# Altium PCB HYDRA_V4_RECOVERY.PcbDoc (part 1 of 2)
Units mm, origin at the board's own origin, x right, y up, seen from the top; angles counter-clockwise.
Board outline 50.1 x 44.1 mm, 4 copper layers (Top Layer, PWR, GND, Bottom Layer), stack 1.586 mm thick; 185 components, 163 nets, 731 pads, 273 vias.
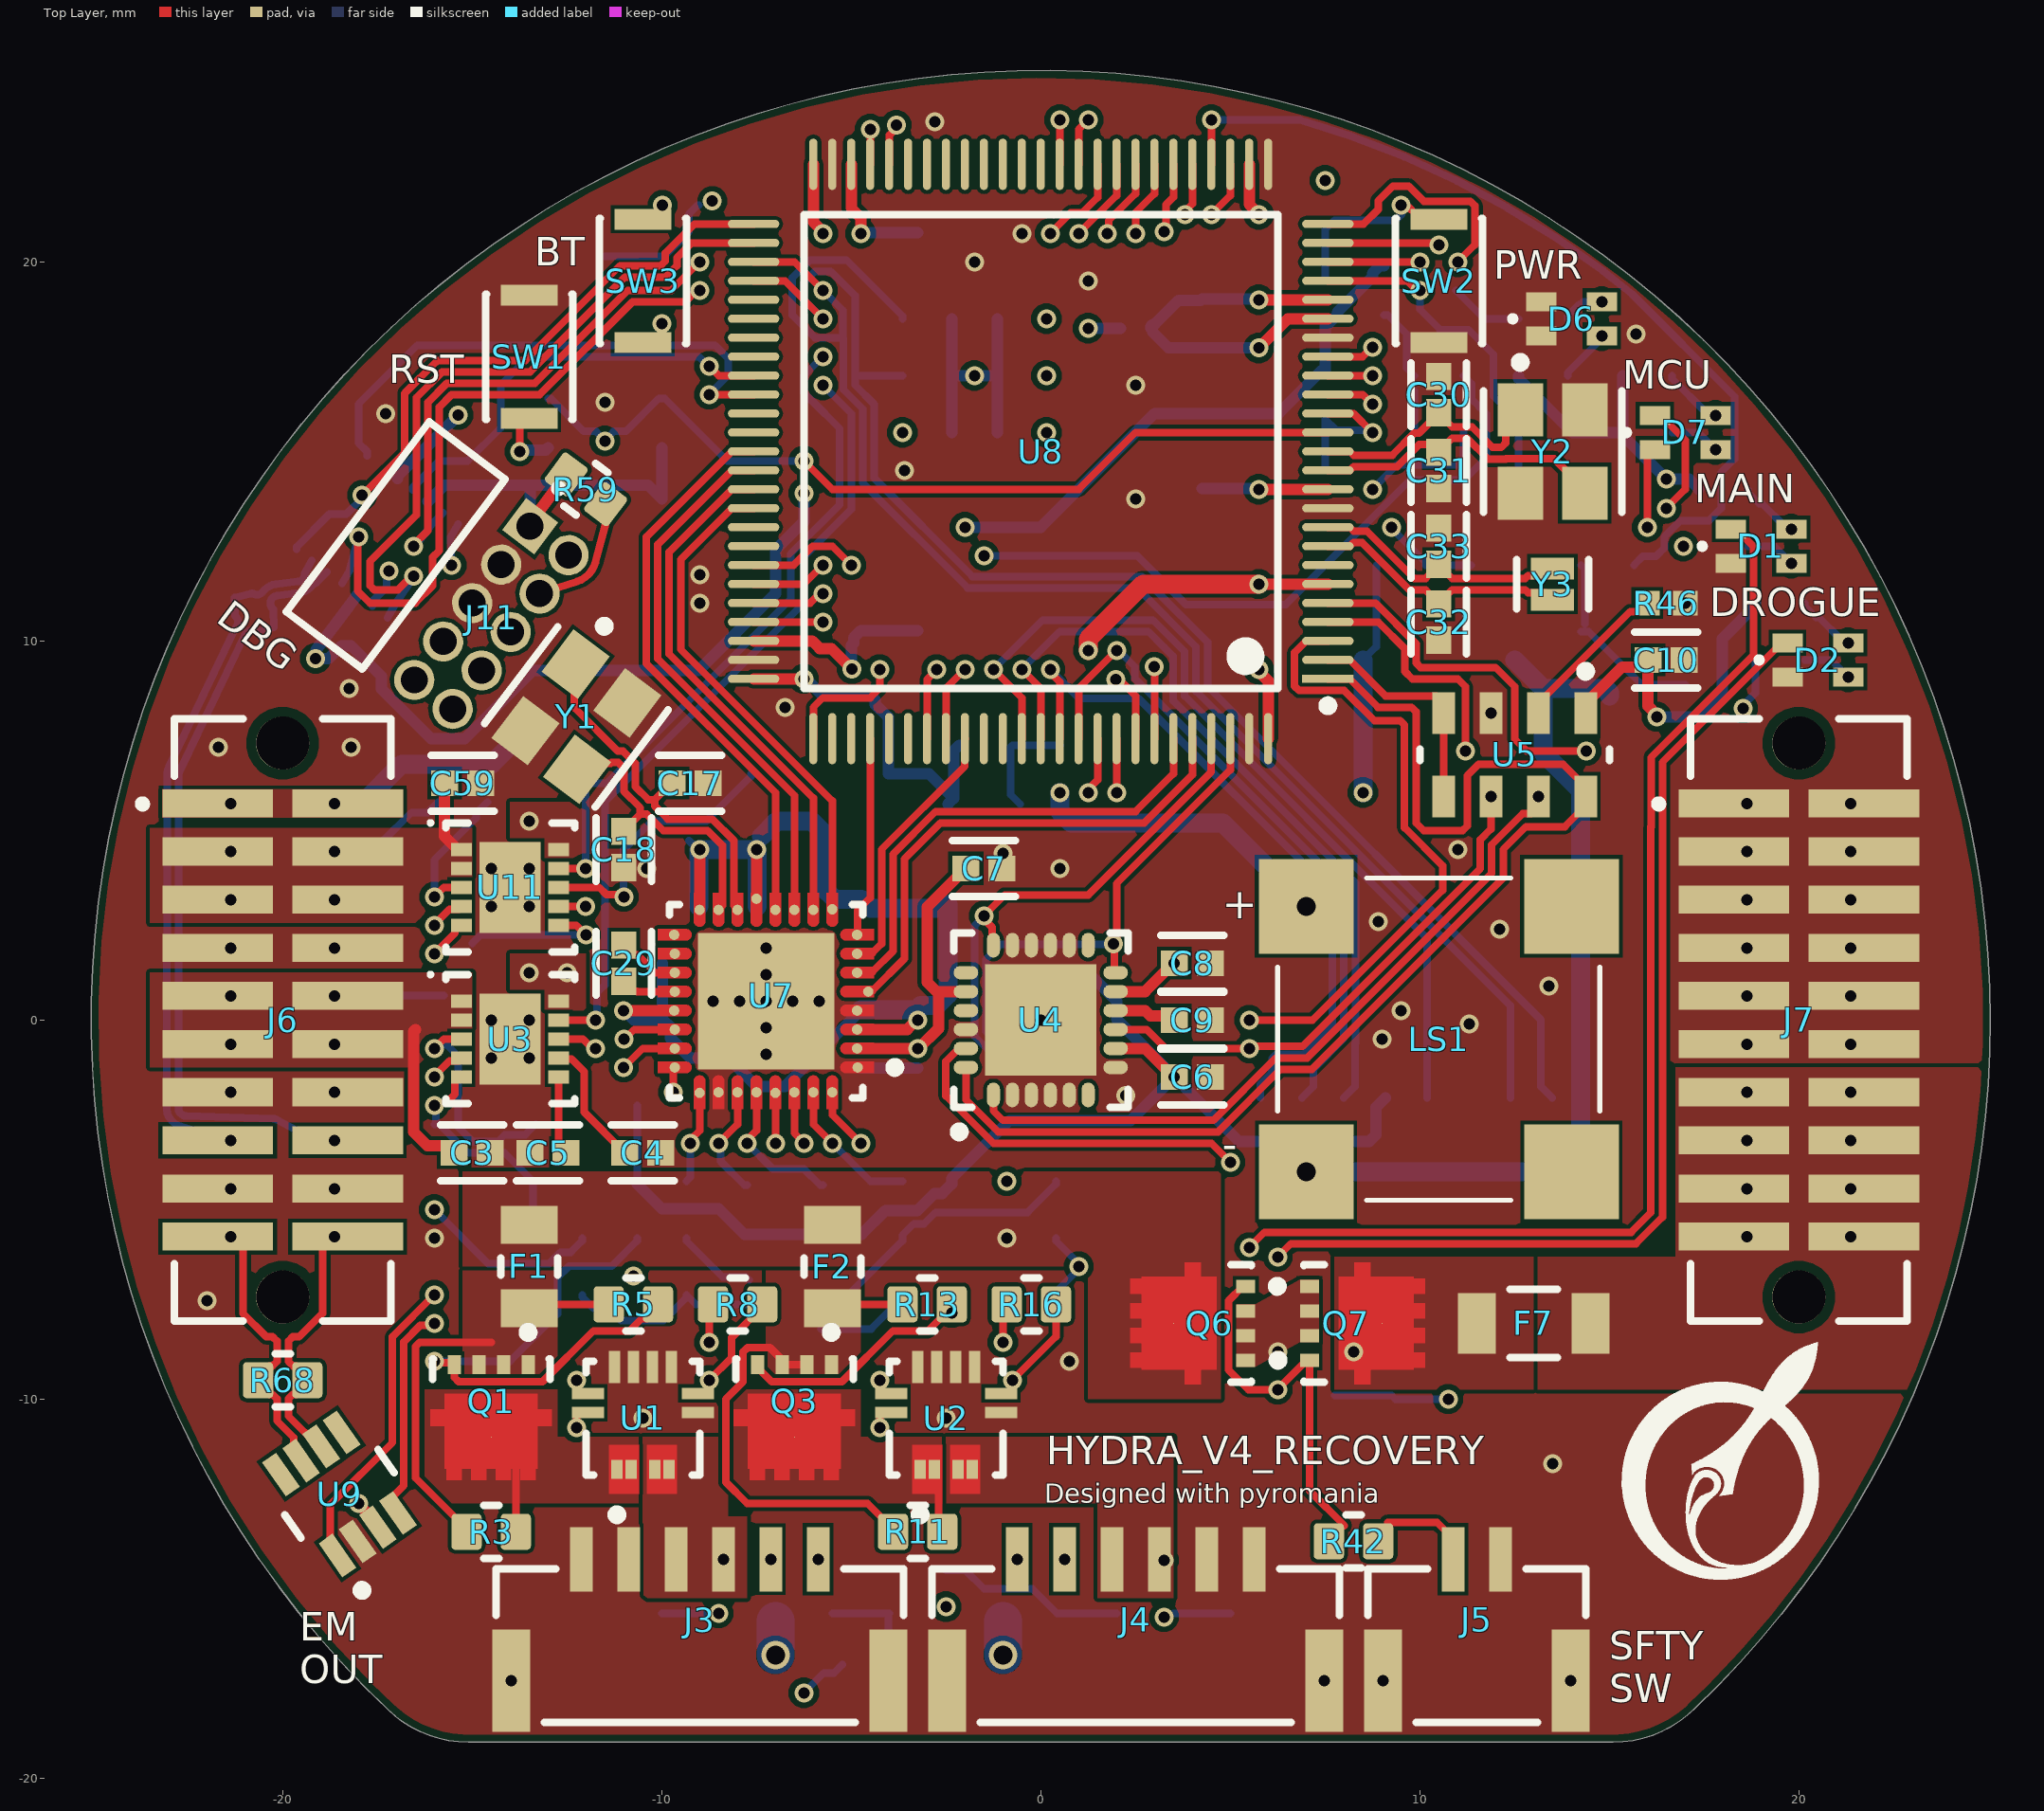
[diagram p0: Top Layer view]
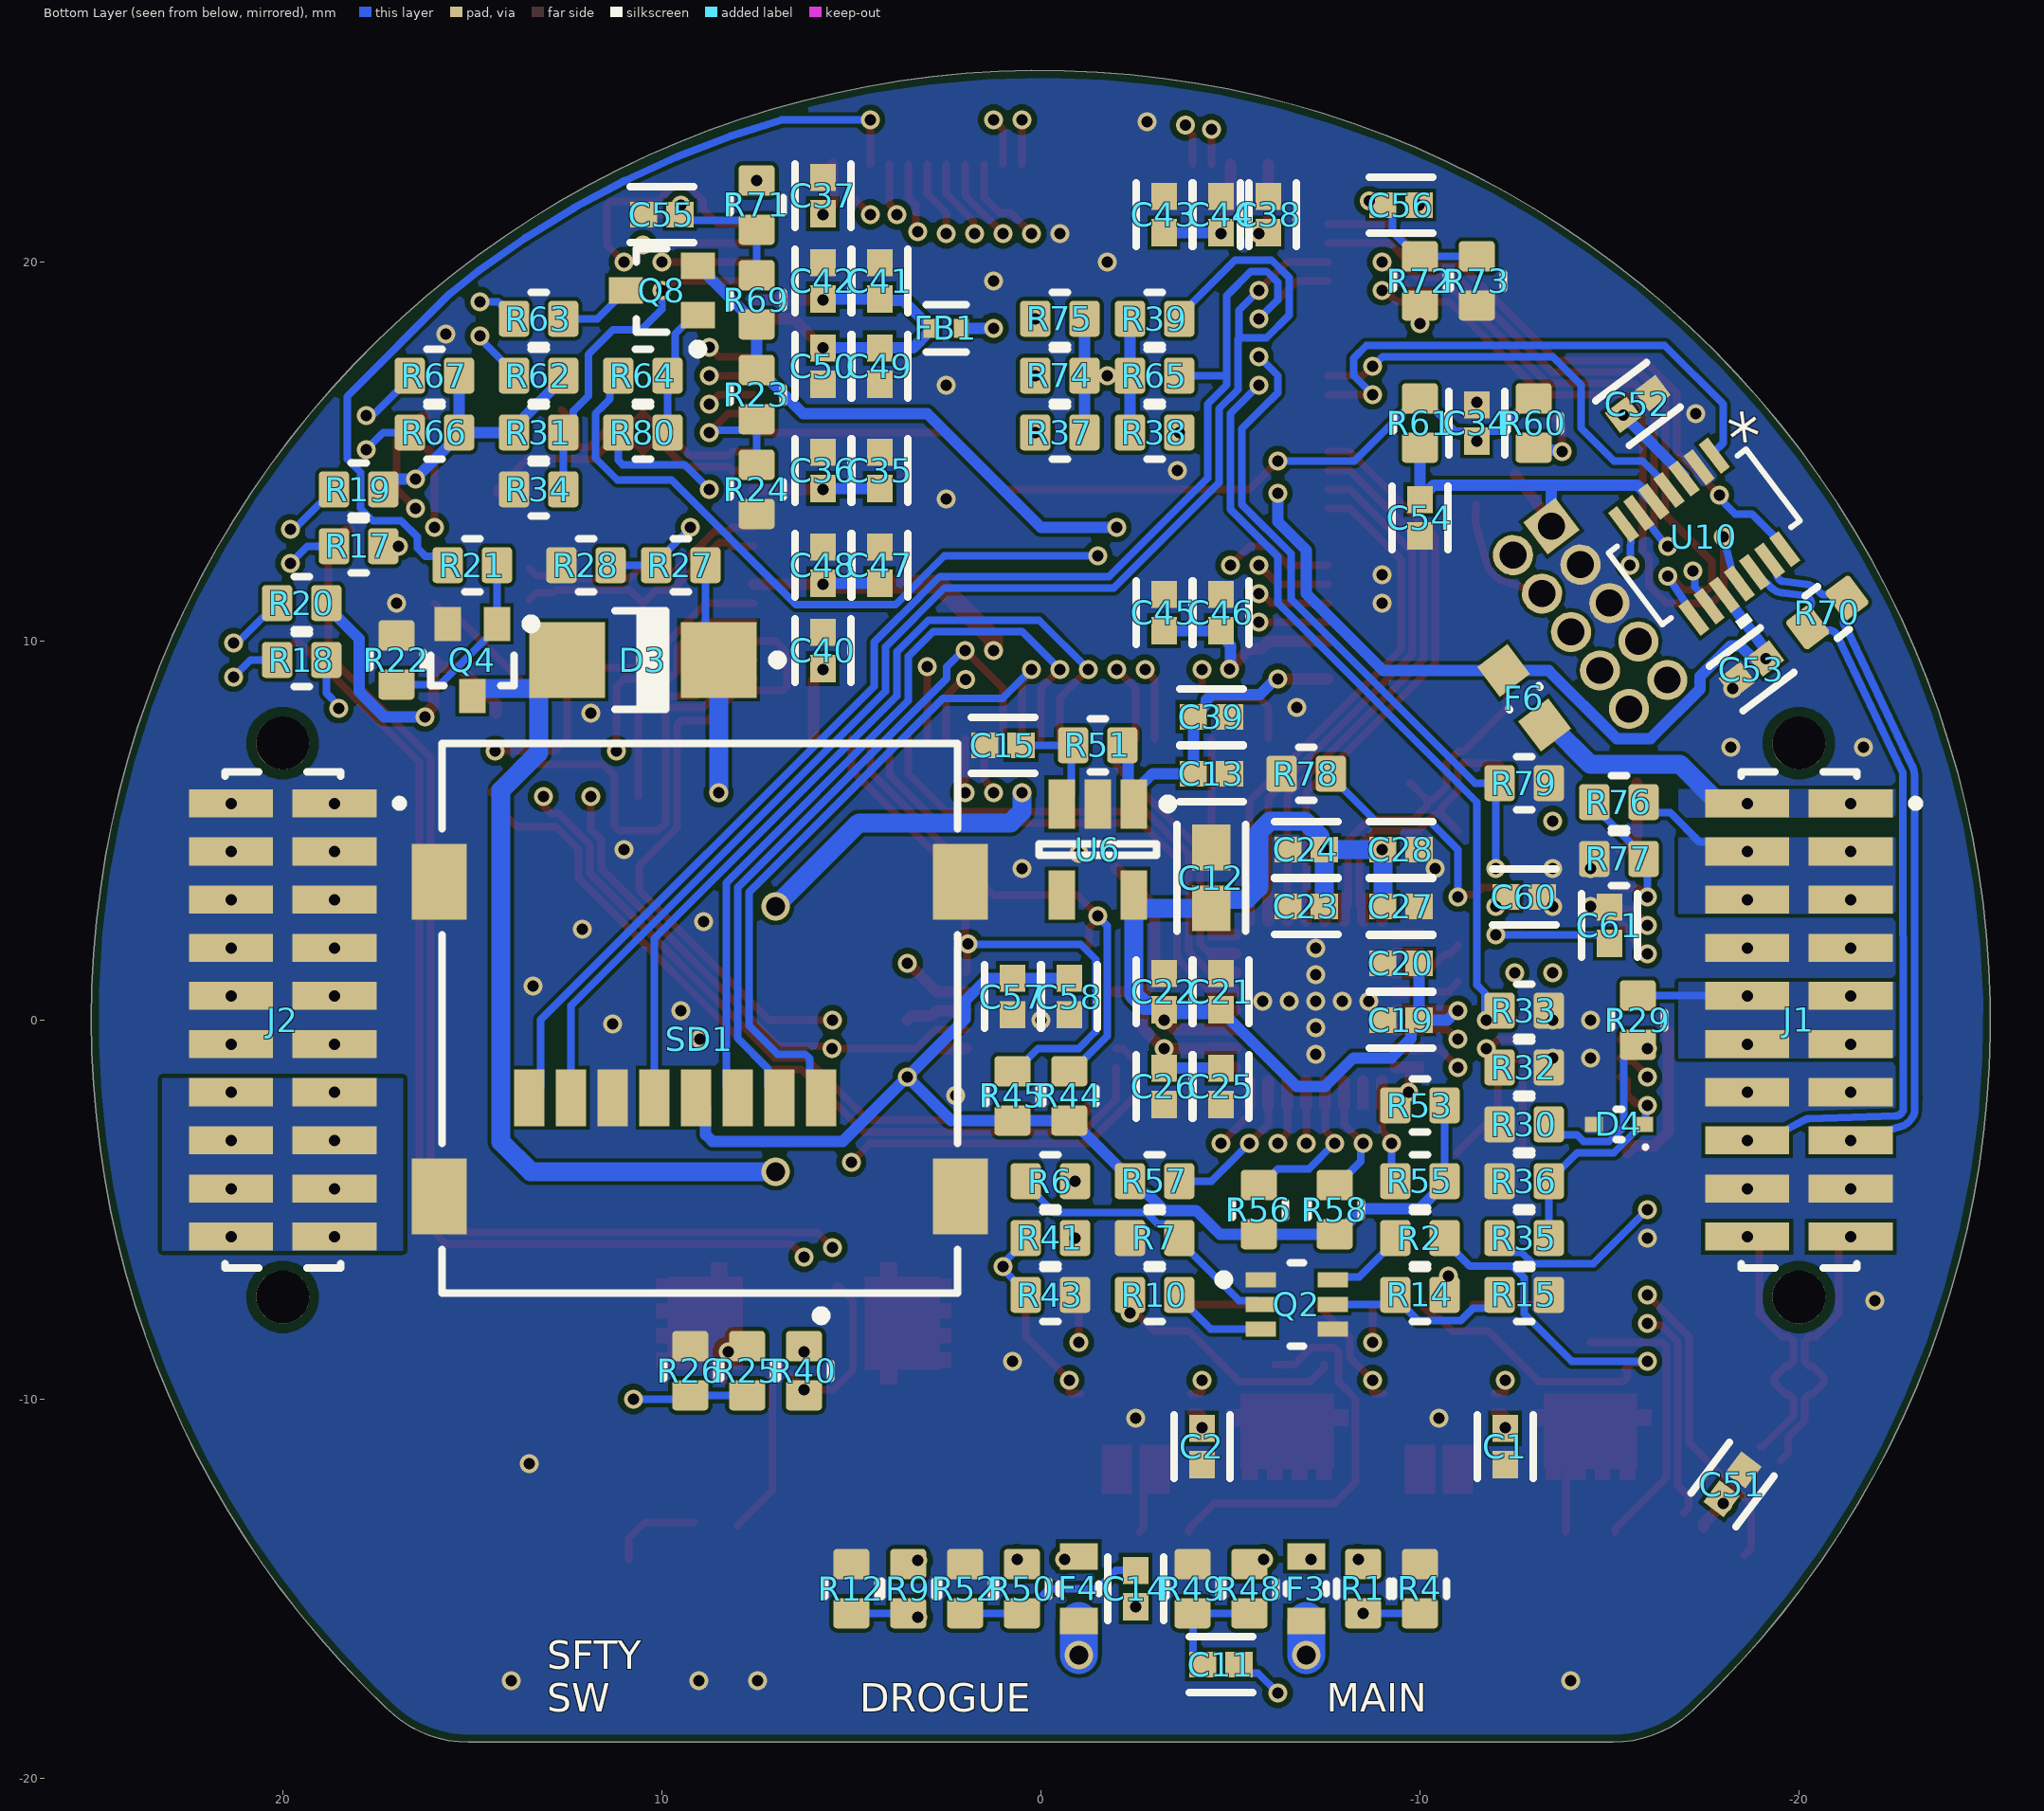
[diagram p1: Bottom Layer view, seen from below]
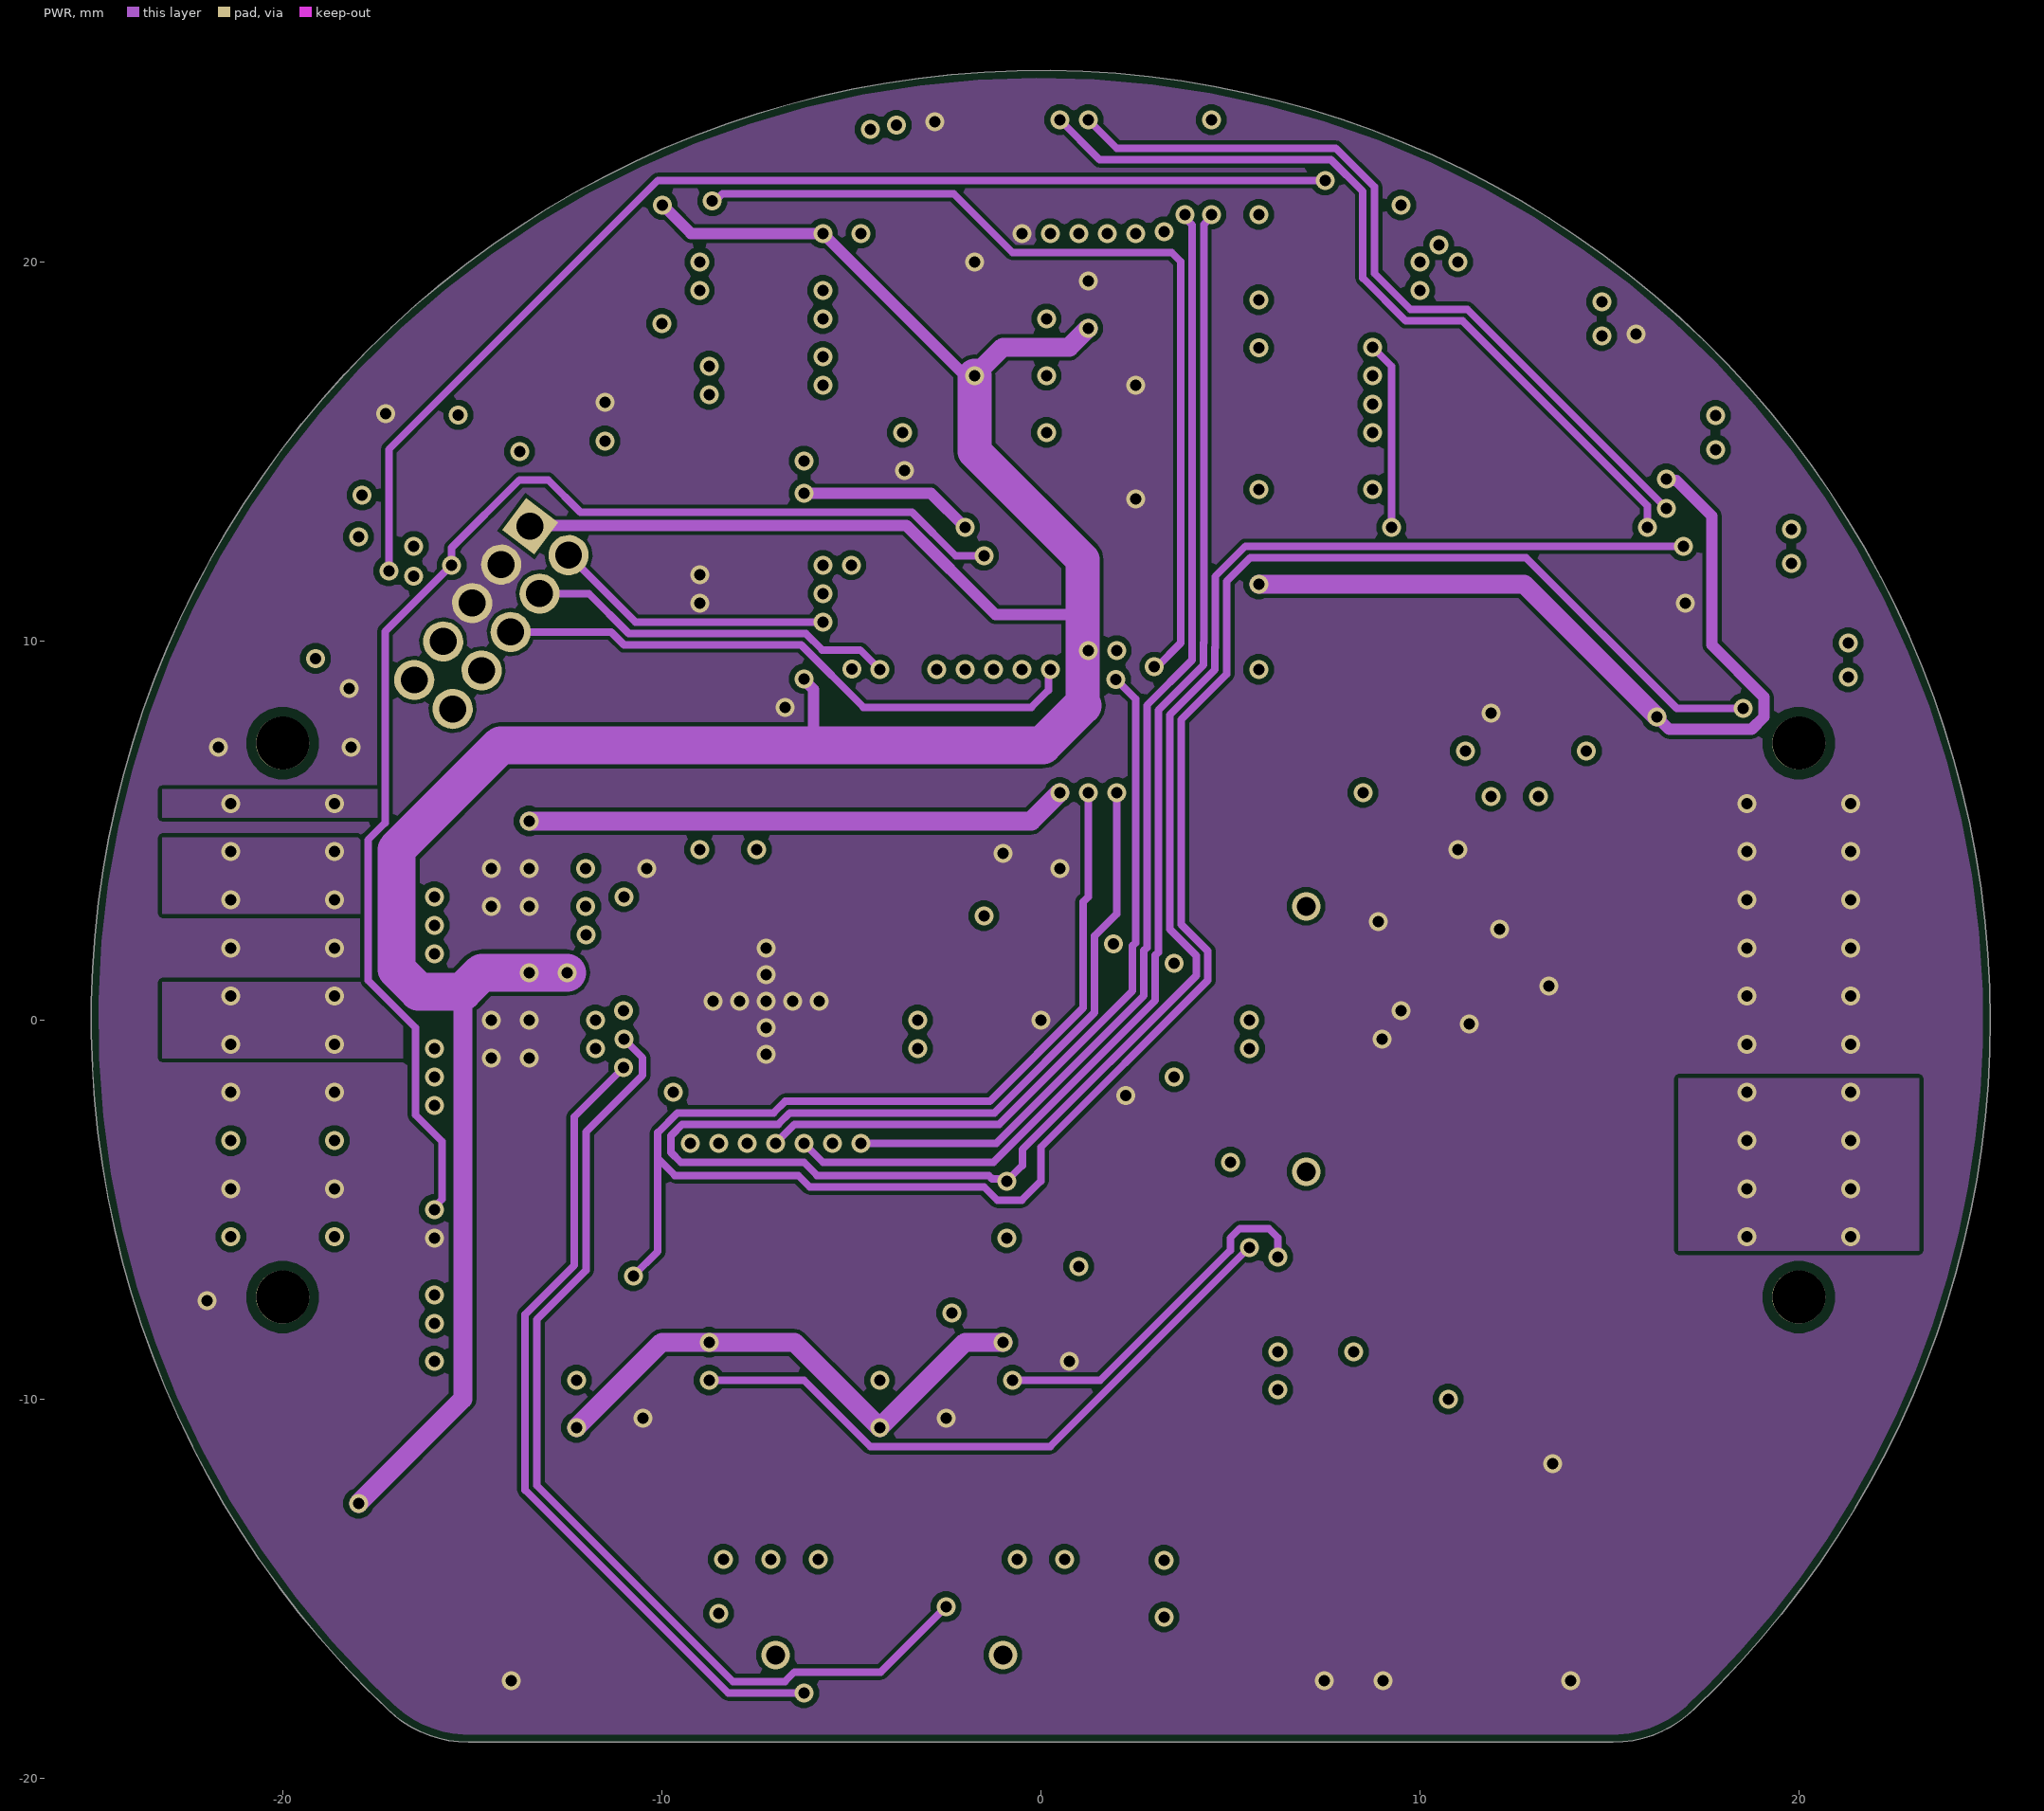
[diagram p2: PWR]